# Altium PCB 小车PCB.PcbDoc (part 2 of 4) (continued)
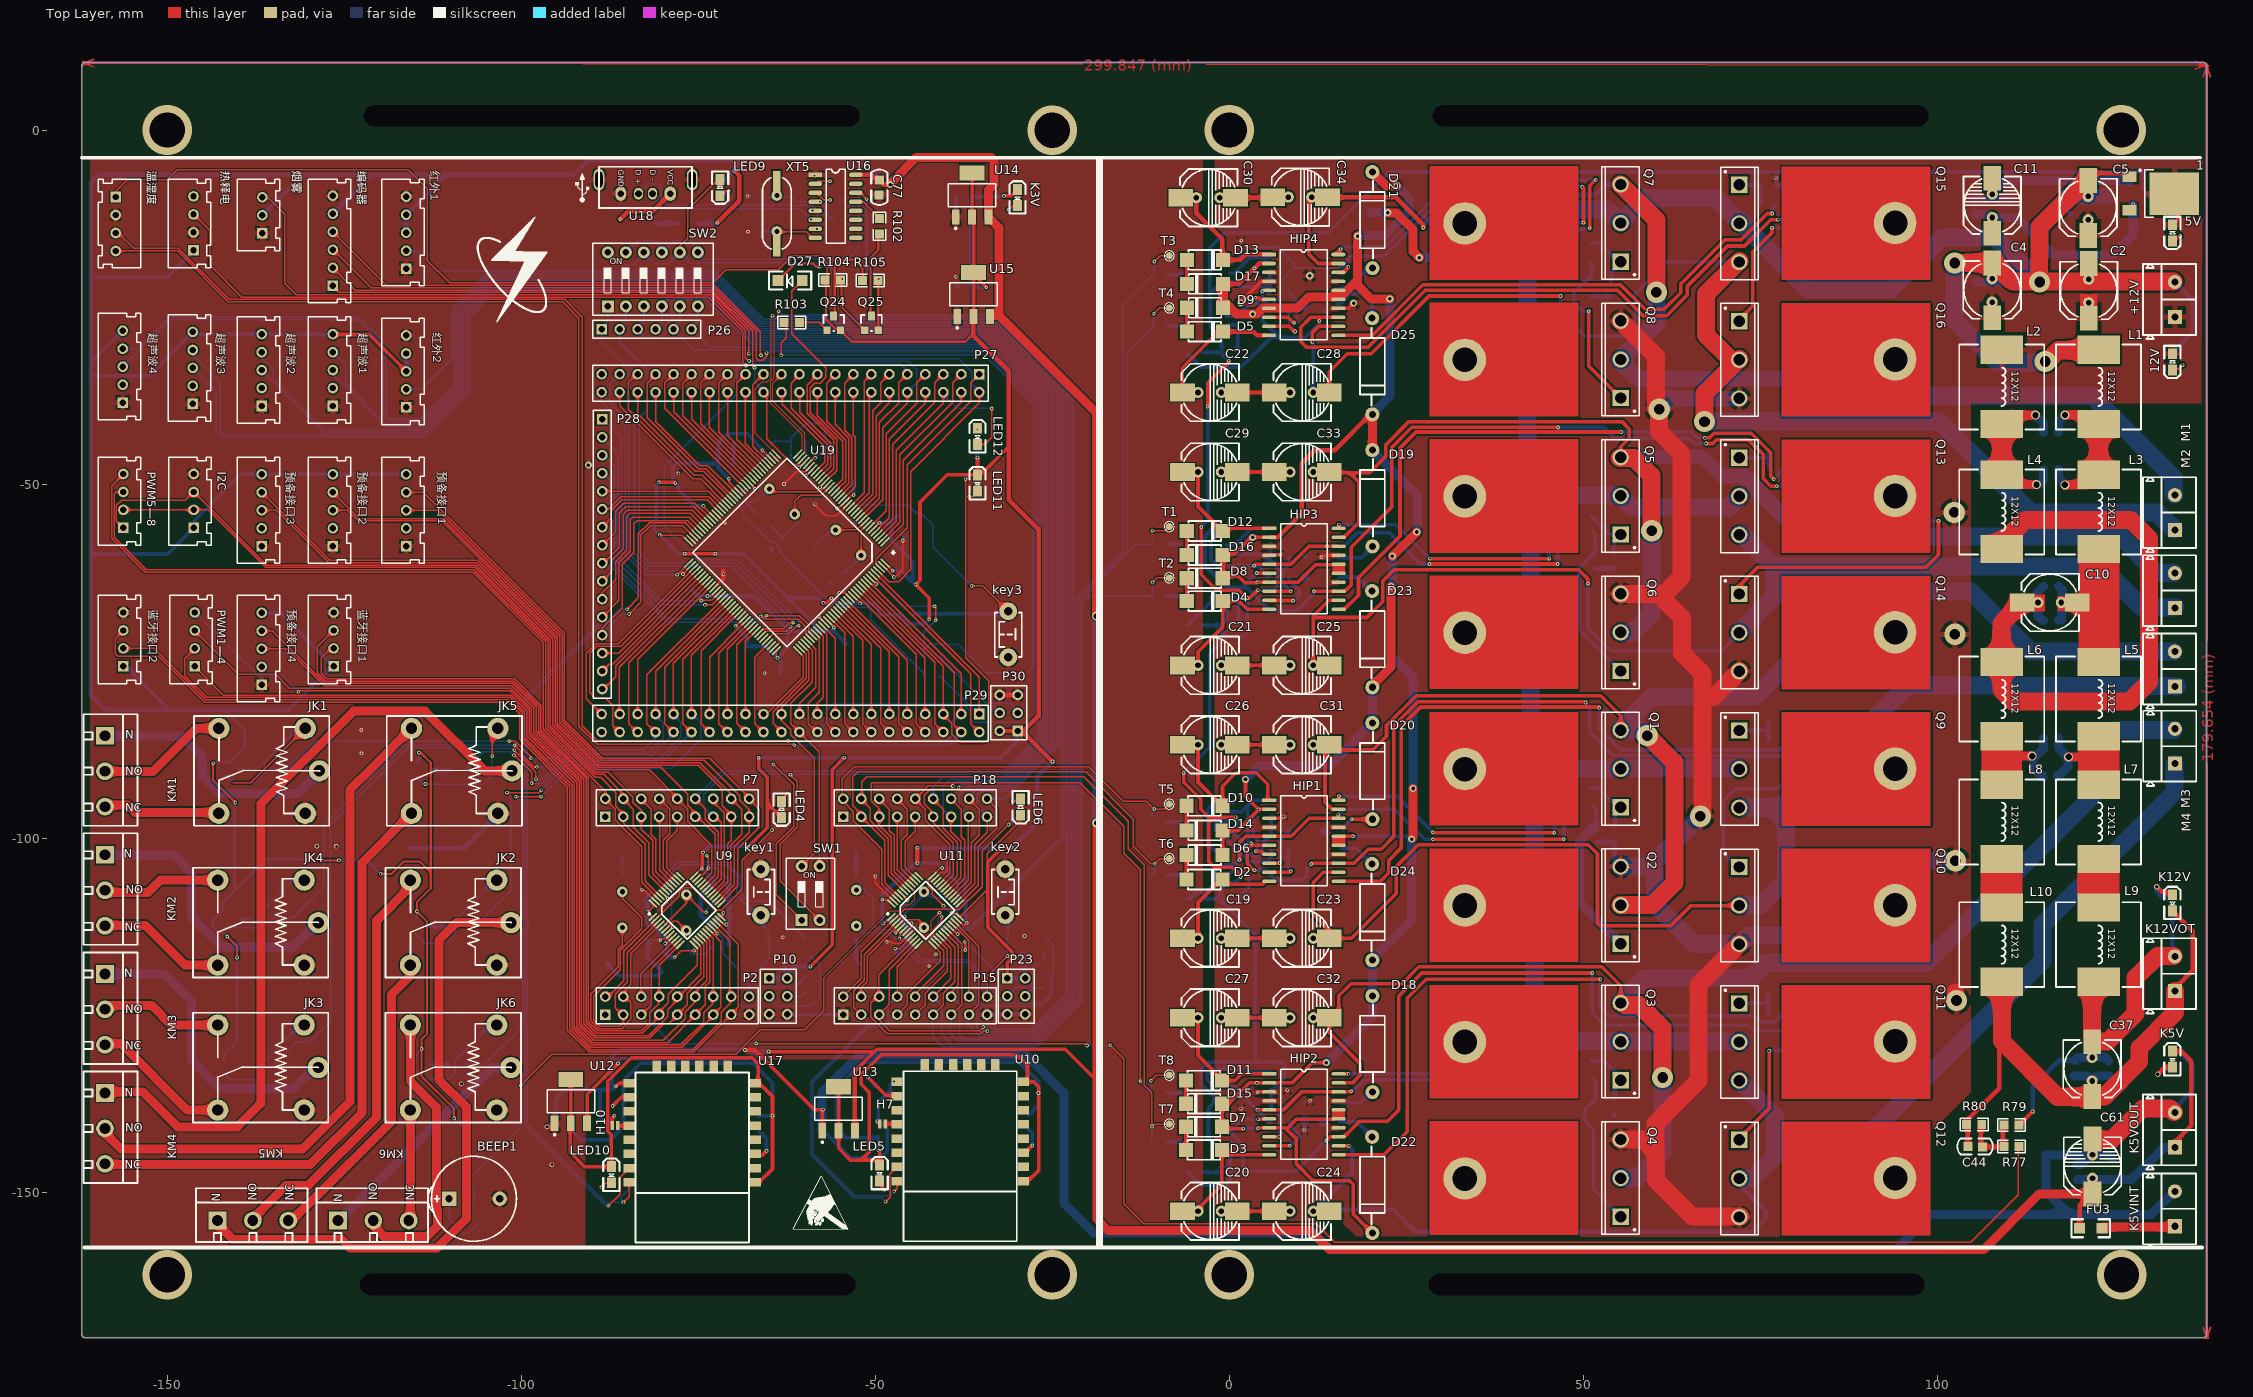
[diagram p0: Top Layer view]
## Nets (pads, with @x,y where several pads share a name; then routed paths per layer and width w, separated by ;. In a path a pad name is that pad's centre, name@x,y a point inside that pad or via, vN(x,y) a via of type N, cw(c..) or ccw(c..) an arc to the next point about the centre after c; other vN are vias at no path point) (continued)
  Bottom Layer w0.203: C40.2@-85.852,-117.602 -85.598,-117.348 XT1.2@-85.598,-114.859
+5V: FU1.2 R2.2 R12.1 R13.1 R14.1 R15.1 R16.1 R17.1 R18.1 R19.1 R20.1 R21.1 R22.1 R23.1 R24.1 R25.1 R26.1 R27.1 U1.8 U2.8 U3.8 U4.8 U5.8 U6.8 U7.8 U8.8 | length 384.9
  Top Layer w0.508: v1(-6.426,-90.729) -6.426,-92.024 -4.039,-94.412 -4.039,-95.86 -2.946,-96.952 -2.083,-96.952 ; v1(-3.962,-55.982) -3.962,-62.725 -1.765,-64.922 1.372,-64.922 v1@2.413,-65.964 ; v1(-3.048,-38.964) -3.048,-35.662 -0.076,-32.69 v1(-0.076,-32.487) ; -2.057,-96.926 -2.083,-96.952 ; v1(0.889,-96.952) -2.083,-96.952 ; v1(1.626,-105.41) 1.626,-105.207 0.432,-104.013 -2.108,-104.013 -2.896,-103.226 -2.896,-97.765 -2.083,-96.952 ; v1(2.515,-66.015) 2.896,-66.015 v1@4.039,-64.872
  Bottom Layer w0.508: v1(-6.426,-90.729) -2.769,-87.071 -2.769,-86.741 ; v1(-3.962,-55.982) -3.048,-55.067 v1(-3.048,-38.964) ; R18.1@-3.81,-108.509 -1.067,-108.509 R12.1@-0.991,-108.585 ; R27.1@-3.81,-31.318 -1.372,-31.318 R25.1@-1.27,-31.217 ; R23.1@-3.759,-69.875 -1.651,-69.875 R17.1@-1.575,-69.799 ; R15.1@-3.734,-147.066 -3.683,-147.117 R21.1@-1.016,-147.117 ; -2.769,-86.538 -2.769,-73.889 -1.092,-72.212 -1.092,-70.739 ; -2.743,-23.063 -2.743,-16.535 -0.635,-14.427 13.97,-14.427 22.539,-5.858 128.997,-5.858 129.057,-5.918 129.057,-8.433 FU1.2@130.886,-10.262 ; U4.8@-1.219,-144.069 -2.946,-142.342 -2.946,-138.024 -2.21,-137.287 ; R12.1@-1.219,-108.941 -0.991,-108.941 3.658,-113.589 3.658,-131.572 ; R12.1@-1.219,-108.407 -1.219,-107.074 U1.8@-0.47,-106.324 ; R17.1@-1.118,-69.698 -0.445,-69.025 U6.8@-0.445,-67.056 ; R17.1@-1.092,-69.875 -1.092,-70.739 ; U7.8@-1.092,-21.412 -2.718,-23.038 -2.718,-27.788 -1.753,-28.753 U8.8@-0.711,-28.753 ; R21.1@-1.041,-147.066 -1.041,-144.221 U4.8@-0.94,-144.12 ; U3.8@-0.597,-137.287 -2.21,-137.287 ; U1.8@-0.597,-106.223 0.813,-106.223 v1(1.626,-105.41) ; U2.8@-0.47,-98.73 1.194,-98.73 1.194,-97.257 v1(0.889,-96.952) ; U5.8@-0.445,-59.817 4.674,-59.817 R22.1@5.766,-60.909 ; U8.8@-0.445,-28.753 U8.8@-0.711,-28.753 ; U7.8@-0.445,-21.463 0.914,-21.463 1.499,-22.047 5.089,-22.047 5.461,-22.419 5.461,-22.758 R26.1@5.563,-22.86 ; U2.8@-0.076,-98.755 0.152,-98.755 0.381,-98.984 2.718,-101.321 2.718,-102.032 3.226,-102.54 4.115,-102.54 4.699,-101.956 4.699,-100.635 5.893,-99.441 5.893,-96.901 R19.1@6.045,-96.749 ; v1(-0.076,-32.487) -1.092,-31.471 -1.092,-29.134 U8.8@-0.711,-28.753 ; v1(2.515,-66.015) 2.515,-71.044 2.057,-71.501 -0.33,-71.501 -1.092,-70.739 ; v1(4.039,-64.897) 5.867,-64.897 ; R24.1@5.639,-20.447 5.69,-20.498 R26.1@5.69,-22.911 ; R22.1@5.766,-60.884 5.766,-58.318 R16.1@5.817,-58.268 ; R14.1@5.893,-135.357 5.893,-137.77 R20.1@5.944,-137.82 ; 5.944,-64.897 6.274,-64.897 6.782,-64.389 6.782,-61.544 R22.1@6.121,-60.884 ; R14.1@6.223,-135.357 7.798,-133.782 7.798,-131.877 7.493,-131.572 3.658,-131.572 ; FU1.2@130.886,-10.363 131.648,-10.363 133.172,-11.887 R2.2@133.172,-13.183 R2.2@133.172,-13.31 ; -2.21,-137.287 -2.21,-136.373 -3.988,-134.595 -3.988,-132.664 -2.896,-131.572 3.658,-131.572
+12V: 1.1 +12V.2 C1.2 C2.2 C3.2 C4.2 C5.2 C6.2 C7.2 C8.2 C9.2 FU2.2 L1.1 Q1.2 Q3.2 Q5.2 Q7.2 Q9.2 Q11.2 Q13.2 Q15.2 R1.2 | length 423.2
  Top Layer w0.635: 23.698,-11.659 23.749,-11.608 ; C5.2@121.26,-6.739 121.979,-6.02 1.1@127.127,-6.02
  Top Layer w1.27: v2(22.377,-11.582) 22.454,-11.659 23.698,-11.659 ; 23.749,-11.76 23.749,-11.786 25.959,-13.995 25.959,-17.069 v2(26.822,-17.932)
  Top Layer w2.54: v3@102.334,-18.666 C4.2@107.973,-18.666 ; C4.2@107.874,-18.567 C4.2@107.973,-18.666 ; 114.427,-17.907 114.427,-13.64 C5.2@121.31,-6.756 ; v3@115.341,-32.766 117.094,-31.013 L1.1@122.453,-31.013 ; +12V.2@133.35,-21.336 110.642,-21.336 C4.2@107.973,-18.666
  Bottom Layer w0.635: v2(26.822,-17.932) v2@26.975,-17.932 ; 41.58,-16.104 42.113,-15.57 ; C4.2@107.287,-21.361 C4.2@107.721,-20.927 C4.2@108.156,-21.361 ; C2.2@121.183,-21.031 C2.2@121.514,-21.361 ; C5.2@121.285,-9.423 123.774,-9.423 123.799,-9.649 123.8,-9.652 C9.2@123.901,-9.754 ; R1.2@133.172,-31.42 136.068,-28.524 136.068,-23.901 +12V.2@133.502,-21.336
  Bottom Layer w1.27: FU2.2@20.015,-11.506 FU2.2@20.117,-11.608 ; FU2.2@20.041,-11.608 FU2.2@20.117,-11.608 ; v2(22.377,-11.582) 20.142,-11.582 FU2.2@20.117,-11.608 ; v2@26.975,-17.958 39.726,-17.958 41.58,-16.104 ; C6.2@105.385,-21.361 C4.2@107.287,-21.361 ; C4.2@108.156,-21.361 C8.2@110.16,-21.361 ; C1.2@118.618,-21.641 120.548,-21.641 C2.2@121.412,-20.777 ; C2.2@121.31,-20.904 123.063,-20.904 C3.2@123.52,-21.361
  Bottom Layer w2.54: Q5.2@54.762,-51.562 46.838,-51.562 46.457,-51.181 ; Q1.2@54.915,-90.068 54.889,-90.094 48.158,-90.094 47.828,-89.764 ; Q3.2@55.27,-128.666 Q11.2@72.252,-128.666 ; Q1.2@55.27,-90.027 Q9.2@71.898,-90.027 ; Q5.2@55.27,-51.592 56.916,-53.238 70.536,-53.238 Q13.2@72.136,-51.638 ; Q3.2@55.448,-128.6 48.26,-128.6 43.104,-123.444 43.104,-93.955 47.295,-89.764 47.828,-89.764 ; Q15.2@72.314,-12.751 Q15.2@72.085,-12.979 ; v3(102.438,-18.694) 102.438,-26.797 108.407,-32.766 v3@115.341,-32.766 ; v3(114.427,-21.387) 108.153,-15.113 100.66,-15.113 93.345,-22.428 81.737,-22.428 72.288,-12.979 Q15.2@72.085,-12.979 ; 46.457,-51.181 42.52,-55.118 42.52,-84.455 47.828,-89.764 ; 46.457,-51.181 42.113,-46.838 42.113,-15.57 46.533,-11.151 53.365,-11.151 Q7.2@55.27,-13.056 58.801,-9.525 68.631,-9.525 Q15.2@72.085,-12.979
  other v3: 115.214,-32.614
AH0: HIP4.11 R74.2 | length 73.5
  Top Layer w0.508: HIP4.11@15.392,-28.931 20.168,-28.931 27.33,-21.768 55.245,-21.768 58.725,-25.248 61.392,-25.248 63.754,-22.885 63.754,-21.666 70.002,-15.418 72.263,-15.418 75.971,-11.709 v1(76.683,-11.709)
  Bottom Layer w0.508: v1(76.683,-11.709) 76.683,-11.049 R74.2@77.267,-10.465
AH1: HIP3.11 R72.2 | length 87.3
  Top Layer w0.508: HIP3.11@16.205,-67.64 18.237,-65.608 18.237,-63.144 24.105,-57.277 24.105,-44.831 26.365,-42.57 52.807,-42.57 52.832,-42.596 ; 52.857,-42.57 v1(55.321,-42.57) ; v1(67.158,-43.409) 67.793,-43.409 68.453,-42.748 73.711,-42.748 76.454,-45.491 76.454,-48.793 v1(76.911,-49.251)
  Bottom Layer w0.508: v1(55.321,-42.57) 55.321,-42.52 55.372,-42.57 65.253,-42.57 66.091,-43.409 v1(67.158,-43.409) ; v1(76.911,-49.251) 78.334,-47.828 R72.2@78.334,-47.65
AH2: HIP1.11 R68.2 | length 89.6
  Top Layer w0.508: HIP1.11@15.392,-106.02 HIP1.11@15.443,-106.02 21.336,-106.02 21.869,-105.486 ; 21.92,-105.435 21.869,-105.486 ; v1(52.248,-81.534) 52.248,-81.407 27,-81.407 24.257,-84.15 24.257,-101.321 22.504,-103.073 22.504,-104.826 21.869,-105.461 21.869,-105.486
  Bottom Layer w0.508: v1(52.248,-81.534) 52.248,-84.43 55.245,-87.427 55.506,-87.427 55.557,-87.478 77.699,-87.478 78.308,-86.868 R68.2@78.308,-86.081
AH3: HIP2.11 R70.2 | length 89.6
  Top Layer w0.508: HIP2.11@15.392,-144.653 HIP2.11@15.443,-144.653 21.844,-144.653 25.121,-141.376 25.121,-122.53 27.813,-119.837 v1(52.4,-119.837)
  Bottom Layer w0.508: v1(52.4,-119.837) 52.4,-123.622 52.349,-123.673 53.67,-124.993 74.193,-124.993 75.133,-125.933 77.038,-125.933 R70.2@78.283,-124.689
AHS0: C28.2 HIP4.12 M1.1 Q15.3 Q16.2 | length 189.3
  Top Layer w0.508: v1(11.735,-29.87) 11.735,-28.524 12.598,-27.661 14.503,-27.661 HIP4.12@14.529,-27.635 ; C28.2@14.097,-36.703 14.097,-34.061 16.637,-31.521 20.041,-31.521 28.194,-23.368 v1(46.787,-23.368)
  Top Layer w2.54: v3(67.107,-41.097) 67.107,-37.16 Q16.2@71.897,-32.37 ; Q16.2@72.009,-32.37 Q16.2@71.897,-32.37 ; Q16.2@72.034,-32.233 Q16.2@71.897,-32.37 ; Q15.3@72.034,-18.39 67.335,-23.089 67.335,-28.88 70.826,-32.37 Q16.2@71.897,-32.37
  Bottom Layer w0.508: v1(11.735,-29.87) 11.836,-29.972 C28.2@11.836,-37.033 ; v1(46.787,-23.368) 46.641,-25.508 50.19,-29.058 55.575,-29.058 57.328,-27.305 57.328,-23.038 61.814,-18.552 Q15.3@72.009,-18.552
  Bottom Layer w2.54: v3(67.107,-41.097) 100.305,-41.097 113.132,-53.924 130.988,-53.924 M1.1@133.375,-56.312
AHS1: C25.2 HIP3.12 M2.1 Q13.3 Q14.2 | length 162.2
  Top Layer w0.508: C25.2@11.862,-75.53 11.862,-68.555 14.072,-66.345 HIP3.12@14.63,-66.345 ; 11.913,-68.758 19.431,-68.758 21.666,-66.523 21.666,-63.602 23.266,-62.001 49.327,-62.001 50.648,-63.322 v1(50.648,-64.008)
  Bottom Layer w0.508: v1(50.648,-64.008) 50.648,-70.256 53.848,-73.457 69.459,-73.457 Q14.2@72.009,-70.907
  Bottom Layer w2.54: Q14.2@71.984,-70.79 76.962,-65.811 76.962,-61.62 76.911,-61.57 ; Q13.3@72.06,-57.048 72.39,-57.048 76.911,-61.57 ; M2.1@133.553,-67.31 133.488,-67.375 128.894,-67.375 123.088,-61.57 76.911,-61.57
AHS2: C23.2 HIP1.12 M3.1 Q9.3 Q10.2 | length 175.5
  Top Layer w0.508: C23.2@14.072,-113.792 14.072,-112.903 11.836,-110.668 11.836,-106.197 13.284,-104.75 HIP1.12@14.656,-104.75 ; C23.2@14.529,-114.071 17.247,-114.071 23.597,-107.721 23.597,-103.937 26.67,-100.863 27.864,-100.863 27.864,-100.838 50.698,-100.838 51.994,-102.133 51.994,-111.912 52.349,-112.268 62.382,-112.268 65.207,-109.444 Q10.2@72.009,-109.444
  Bottom Layer w2.54: Q10.2@72.034,-109.398 74.981,-109.398 78.588,-105.791 78.588,-95.58 ; Q9.3@72.365,-95.58 78.588,-95.58 ; M3.1@133.35,-78.464 109.249,-78.464 109.144,-78.359 95.783,-78.359 86.868,-87.274 86.868,-87.3 78.588,-95.58 ; M3.1@133.528,-78.504 M3.1@133.866,-78.504
AHS3: C24.2 HIP2.12 M4.1 Q11.3 Q12.2 | length 189.4
  Top Layer w0.508: HIP2.12@15.443,-143.383 16.866,-143.383 v1(16.891,-143.408)
  Bottom Layer w0.635: C24.2@11.405,-152.375 C24.2@11.532,-152.375 ; C24.2@11.532,-152.425 C24.2@12.09,-152.425 ; C24.2@11.913,-152.603 C24.2@12.09,-152.425 ; v1(16.891,-143.408) 17.348,-143.866 17.348,-147.168 C24.2@12.09,-152.425 ; Q12.2@72.009,-147.98 72.009,-148.869 75.743,-152.603 75.743,-153.645 73.889,-155.499 26.264,-155.499 23.19,-152.425 C24.2@12.09,-152.425
  Bottom Layer w2.54: Q11.3@72.009,-134.162 77.089,-139.242 77.089,-142.748 ; Q12.2@72.161,-147.98 73.838,-147.98 77.089,-144.729 77.089,-142.748 ; M4.1@133.502,-89.484 133.502,-93.447 114.833,-112.116 114.833,-117.272 89.408,-142.697 77.14,-142.697 77.089,-142.748
AL0: HIP4.6 HIP4.13 R27.2 R75.2 U8.6 | length 126.2
  Top Layer w0.508: v1(3.683,-23.597) 4.115,-23.597 4.369,-23.851 HIP4.6@4.877,-23.851 ; v1(12.7,-26.899) 12.7,-26.518 12.725,-26.492 ; HIP4.13@15.392,-26.391 11.455,-26.391 10.084,-27.762 10.084,-29.794 10.897,-30.607 19.583,-30.607 27.661,-22.53 54.813,-22.53 58.42,-26.137 61.773,-26.137 64.643,-23.266 64.643,-22.022 70.358,-16.307 72.746,-16.307 76.479,-12.573 v1(77.47,-12.573)
  Bottom Layer w0.508: R27.2@-5.969,-31.318 -5.969,-31.42 -3.988,-33.401 1.702,-33.401 5.944,-29.159 7.01,-29.159 ; U8.6@-0.445,-26.213 1.067,-26.213 2.794,-24.486 3.988,-24.486 3.988,-23.927 3.683,-23.622 v1(3.683,-23.597) ; 4.216,-24.511 4.623,-24.917 4.623,-26.772 7.01,-29.159 ; 12.7,-27.229 10.744,-29.185 7.036,-29.185 7.01,-29.159 ; v1@77.47,-12.548 78.207,-12.548 79.985,-10.77 R75.2@79.985,-10.465
AL1: HIP3.6 HIP3.13 R23.2 R73.2 U6.6 | length 119.5
  Top Layer w0.508: v1@3.912,-62.459 3.988,-62.535 HIP3.6@5.643,-62.535 ; v1(11.913,-65.049) HIP3.13@14.859,-65.049 ; HIP3.13@16.332,-65.075 17.221,-64.186 17.221,-58.852 22.962,-53.111 22.962,-44.729 25.781,-41.91 46.431,-41.91 v1(46.457,-41.935) ; v1(67.335,-44.196) 68.275,-44.196 68.783,-43.688 73.33,-43.688 75.387,-45.745 75.387,-49.124 76.479,-50.216 v1(77.292,-50.216)
  Bottom Layer w0.508: R23.2@-5.918,-69.875 -2.565,-66.523 -2.565,-65.862 U6.6@-1.27,-64.567 ; U6.6@-0.445,-64.516 1.854,-64.516 v1(3.886,-62.484) ; 1.372,-64.541 2.489,-64.541 5.74,-67.793 9.55,-67.793 11.825,-65.518 v1(11.913,-65.049) ; v1(46.457,-41.935) 52.959,-41.935 54.508,-43.485 64.948,-43.485 65.659,-44.196 v1(67.335,-44.196) ; v1(77.292,-50.216) 77.749,-50.216 79.126,-48.839 79.177,-48.839 79.573,-48.443 79.598,-48.443 80.391,-47.65 R73.2@80.848,-47.65 R73.2@80.975,-47.65
AL2: HIP1.6 HIP1.13 R19.2 R69.2 U2.6 | length 123.7
  Top Layer w0.508: 2.489,-101.575 2.515,-101.549 2.515,-103.505 v1@3.454,-104.445 ; 2.54,-101.524 3.073,-100.99 v1@3.073,-100.686 ; v1(3.073,-100.635) v1@3.073,-100.686 ; HIP1.6@5.029,-100.94 3.327,-100.94 v1@3.073,-100.686 ; v1(11.557,-103.581) 11.659,-103.48 HIP1.13@14.681,-103.48 ; HIP1.13@16.205,-103.48 17.602,-103.48 19.609,-101.473 21.463,-101.473 23.241,-99.695 23.241,-84.049 26.645,-80.645 50.19,-80.645 v1(50.317,-80.772)
  Bottom Layer w0.508: U2.6@-0.47,-96.19 1.676,-96.19 3.302,-94.564 R19.2@5.918,-94.564 ; v1@2.972,-100.559 2.591,-100.178 2.591,-98.908 2.616,-98.882 2.616,-95.377 3.378,-94.615 ; v1@2.997,-100.559 2.997,-100.609 3.023,-100.635 v1(3.073,-100.635) ; v1(3.556,-104.47) 5.182,-104.47 6.579,-105.867 10.363,-105.867 10.922,-105.308 10.922,-104.191 11.532,-103.581 v1(11.557,-103.581) ; v1(50.317,-80.772) 50.876,-81.331 50.876,-84.912 54.204,-88.24 55.421,-88.24 55.472,-88.29 79.858,-88.29 80.975,-87.173 R69.2@80.975,-86.081
AL3: HIP2.6 HIP2.13 R21.2 R71.2 U4.6 | length 120.6
  Top Layer w0.508: v1(4.064,-139.598) HIP2.6@5.029,-139.598 ; v1(13.716,-142.621) 14.224,-142.113 HIP2.13@15.113,-142.113 ; HIP2.13@16.281,-142.011 18.39,-139.903 22.327,-139.903 23.927,-138.303 23.927,-122.225 27.178,-118.974 v1(51.257,-118.974)
  Bottom Layer w0.508: U4.6@-0.025,-141.3 1.956,-143.281 1.956,-146.99 ; U4.6@0.127,-141.351 1.88,-139.598 v1(4.064,-139.598) ; R21.2@0.737,-146.99 1.956,-146.99 ; v1@13.665,-142.646 13.665,-142.697 9.373,-146.99 1.956,-146.99 ; v1(51.257,-118.974) 51.257,-124.587 53.01,-126.34 73.304,-126.34 74.092,-127.127 79.908,-127.127 80.95,-126.086 R71.2@80.95,-124.689
BH0: HIP4.20 R50.1 | length 52
  Top Layer w0.508: HIP4.20@14.961,-17.475 14.986,-17.475 v1(15.697,-16.764) ; v1(50.902,-13.792) 50.902,-7.798 v1(51.765,-6.934)
  Bottom Layer w0.508: v1(15.697,-16.764) 15.723,-16.764 16.078,-16.408 22.073,-16.408 31.547,-6.934 v1(51.765,-6.934) ; R50.1@48.971,-15.9 48.971,-14.554 49.682,-13.843 50.851,-13.843 v1(50.902,-13.792)
BH1: HIP3.20 R48.1 | length 40.4
  Top Layer w0.508: HIP3.20@15.469,-56.083 v1(15.469,-55.651) ; v1(28.321,-60.452) v1(45.187,-60.452)
  Bottom Layer w0.508: v1(15.469,-55.651) 23.52,-55.651 v1(28.321,-60.452) ; v1(45.187,-60.452) 45.187,-57.048 47.777,-54.458 R48.1@48.971,-54.458
BH2: HIP1.20 R44.1 | length 40.6
  Top Layer w0.508: v1(15.494,-94.005) 15.494,-94.463 HIP1.20@15.545,-94.513 ; v1(28.753,-99.085) 28.829,-99.162 v1(45.872,-99.162)
  Bottom Layer w0.508: v1(15.494,-94.005) 23.673,-94.005 v1(28.753,-99.085) ; v1(45.872,-99.162) 45.872,-95.961 R44.1@48.946,-92.888
BH3: HIP2.20 R46.1 | length 33.5
  Top Layer w0.508: HIP2.20@16.231,-133.223 v1(16.815,-133.223)
  Bottom Layer w0.508: v1(16.815,-133.223) 38.354,-133.223 40.183,-131.394 R46.1@48.946,-131.394
BHS0: C34.2 HIP4.19 M1.2 Q7.3 Q8.2 | length 174.9
  Top Layer w0.508: C34.2@11.862,-9.373 11.201,-10.033 11.201,-17.424 12.548,-18.771 HIP4.19@14.503,-18.771
  Top Layer w0.635: C34.2@13.945,-9.423 23.52,-9.423 27.381,-13.284 v1(27.381,-13.691)
  Top Layer w2.54: Q7.3@55.27,-7.606 60.314,-12.649 v3(60.314,-22.824)
  Bottom Layer w0.635: v1(27.381,-13.691) 27.381,-13.36 31.648,-9.093 51.587,-9.093 53.075,-7.606 Q7.3@55.27,-7.606
  Bottom Layer w2.2: 57.252,-34.62 57.658,-35.027 72.714,-35.027 72.74,-35.052 83.109,-35.052 85.547,-37.49
  Bottom Layer w2.54: 57.252,-34.62 55.08,-32.448 60.314,-27.214 v3(60.314,-22.824) ; 85.547,-37.49 121.869,-37.49 133.35,-48.971 133.35,-51.232 M1.2@133.502,-51.384
BHS1: C33.2 HIP3.19 M2.2 Q5.3 Q6.2 | length 177.7
  Top Layer w0.508: C33.2@14.097,-48.285 16.383,-48.285 ; HIP3.19@16.154,-57.48 18.263,-55.372 18.263,-49.632 16.942,-48.311 ; 16.383,-48.311 16.942,-48.311 ; Q5.3@55.27,-46.142 55.27,-44.653 56.49,-43.434 56.49,-42.139 55.448,-41.097 25.375,-41.097 22.073,-44.399 22.073,-46.025 19.787,-48.311 16.942,-48.311
  Top Layer w2.54: Q5.3@55.093,-46.228 57.125,-46.228 59.639,-48.743 v3(59.639,-56.515)
  Bottom Layer w2: Q5.3@54.94,-46.101 66.827,-46.101 69.571,-48.844 72.593,-48.844
  Bottom Layer w2.2: 72.593,-48.844 72.89,-49.141 73.17,-49.141 74.633,-50.604 74.633,-50.884 81.077,-57.328
  Bottom Layer w2.54: Q6.2@55.27,-70.861 56.977,-70.861 59.639,-68.199 v3(59.639,-56.515) ; 81.077,-57.328 125.832,-57.328 130.959,-62.455 133.328,-62.455 M2.2@133.35,-62.433
BHS2: C31.2 HIP1.19 M3.2 Q1.3 Q2.2 | length 182.5
  Top Layer w0.508: C31.2@14.097,-86.751 13.513,-87.335 13.513,-94.844 HIP1.19@14.516,-95.847 ; C31.2@15.011,-87.478 20.244,-87.478 22.2,-85.522 22.2,-83.998 26.391,-79.807 52.451,-79.807 55.27,-82.626 Q1.3@55.27,-84.679
  Top Layer w2.54: Q2.2@55.27,-109.397 59.69,-109.397 62.84,-106.248 62.84,-89.256 v3(59.03,-85.446)
  Bottom Layer w2.54: Q1.3@55.27,-84.679 Q1.3@55.296,-84.679 ; Q1.3@55.296,-84.684 Q1.3@55.296,-84.679 ; v3(59.03,-85.446) 58.263,-84.679 Q1.3@55.296,-84.679 ; M3.2@133.35,-73.544 113.168,-73.544 104.75,-65.126 89.052,-65.126 76.225,-77.953 76.225,-78.003 74.32,-79.908 59.665,-79.908 55.296,-84.277 Q1.3@55.296,-84.679
BHS3: C32.2 HIP2.19 M4.2 Q3.3 Q4.2 | length 189.6
  Top Layer w0.508: C32.2@14.097,-125.288 14.097,-127.381 18.466,-131.75 18.466,-133.426 17.399,-134.493 HIP2.19@16.231,-134.493 ; C32.2@15.469,-124.866 15.469,-122.199 17.196,-120.472 24.384,-120.472 26.772,-118.085 52.578,-118.085 55.27,-120.777 Q3.3@55.27,-123.216
  Top Layer w2.54: Q3.3@55.804,-123.495 57.912,-123.495 61.189,-126.771 v3(61.189,-133.731)
  Bottom Layer w2.54: Q3.3@55.245,-123.063 58.598,-119.71 73.584,-119.71 75.819,-117.475 98.425,-117.475 122.53,-93.37 122.53,-87.427 125.273,-84.684 133.299,-84.684 M4.2@133.35,-84.633 ; Q4.2@55.27,-147.934 57.653,-147.934 61.189,-144.399 v3(61.189,-133.731)
BL0: HIP4.5 HIP4.18 R26.2 R51.2 U7.6 | length 83
  Top Layer w0.508: v1(4.674,-22.682) 4.75,-22.682 HIP4.5@4.826,-22.606 ; HIP4.18@15.392,-20.041 16.104,-20.041 v1@16.764,-19.38 ; v1(49.86,-7.95) 50.013,-8.103 v1(50.013,-13.03)
  Bottom Layer w0.305: U7.6@0.254,-18.821 2.591,-16.485 6.883,-16.485 9.119,-18.72 9.119,-19.431 ; R26.2@5.69,-25.07 5.69,-24.892 7.112,-23.47 7.112,-21.438 9.119,-19.431 ; 15.697,-19.406 15.672,-19.431 9.119,-19.431
  Bottom Layer w0.508: v1(4.674,-22.682) 4.623,-22.733 4.623,-23.8 R26.2@5.69,-24.867 ; 15.672,-19.304 17.221,-17.755 21.844,-17.755 31.648,-7.95 v1(49.86,-7.95) ; 15.697,-19.304 15.748,-19.253 v1(16.815,-19.253) ; R51.2@48.971,-18.593 47.32,-16.942 47.32,-14.3 48.59,-13.03 v1(50.013,-13.03)
BL1: HIP3.5 HIP3.18 R22.2 R49.2 U5.6 | length 66.9
  Top Layer w0.508: v1(3.48,-61.468) 3.683,-61.265 HIP3.5@4.851,-61.265 ; HIP3.5@5.643,-61.265 8.636,-61.265 8.687,-61.214 ; 8.7,-61.227 11.201,-58.725 v1(13.792,-58.725) HIP3.18@15.164,-58.725 ; v1(28.245,-61.214) v1(46.38,-61.214)
  Bottom Layer w0.508: U5.6@-1.397,-57.277 -1.803,-57.277 -2.591,-58.064 -2.591,-60.579 -1.676,-61.493 3.785,-61.493 ; v1(3.48,-61.468) 3.759,-61.468 3.785,-61.493 ; R22.2@5.69,-62.967 5.563,-62.967 4.089,-61.493 3.785,-61.493 ; v1(13.792,-58.725) 15.646,-58.725 15.672,-58.75 ; 15.748,-58.725 16.154,-58.725 18.11,-56.769 22.555,-56.769 26.581,-60.795 ; 26.568,-60.808 26.975,-61.214 v1(28.245,-61.214) ; v1(46.38,-61.214) 46.38,-58.242 47.523,-57.099 R49.2@48.844,-57.099 R49.2@48.971,-57.099
BL2: HIP1.5 HIP1.18 R18.2 R45.2 U1.6 | length 67.5
  Top Layer w0.508: v1(1.443,-102.976) 1.443,-101.702 ; 1.448,-101.651 1.448,-100.508 2.311,-99.644 8.763,-99.644 9.195,-99.212 ; 9.22,-99.162 11.278,-97.104 HIP1.18@15.011,-97.104 ; HIP1.18@15.367,-97.053 v1(15.367,-96.596) ; v1(28.753,-100.076) v1(47.219,-100.076)
  Bottom Layer w0.508: R18.2@-5.969,-108.509 -5.69,-108.509 -4.775,-107.594 -3.327,-107.594 -2.083,-106.35 -2.083,-104.369 -1.499,-103.784 U1.6@-1.067,-103.784 ; U1.6@-0.597,-103.683 0.737,-103.683 v1(1.443,-102.976) ; 15.697,-96.596 15.697,-96.235 16.063,-95.869 23.378,-95.869 27.584,-100.076 v1(28.753,-100.076) ; v1(47.219,-100.076) 47.219,-96.622 48.26,-95.58 R45.2@48.819,-95.58 R45.2@48.946,-95.58
BL3: HIP2.5 HIP2.18 R20.2 R47.2 U3.6 | length 54.1
  Top Layer w0.508: v1(3.962,-138.303) HIP2.5@5.055,-138.303 ; HIP2.5@5.643,-138.303 7.645,-138.303 10.185,-135.763 HIP2.18@14.783,-135.763 ; HIP2.18@16.231,-135.763 17.12,-135.763 v1(17.221,-135.661)
  Bottom Layer w0.508: U3.6@-0.597,-134.747 0.432,-134.747 3.962,-138.278 v1(3.962,-138.303) ; v1@3.988,-138.328 5.664,-140.005 R20.2@5.893,-140.005 ; v1(17.221,-135.661) 17.374,-135.661 18.974,-134.061 38.913,-134.061 39.853,-133.121 47.981,-133.121 R47.2@48.946,-134.087
BOOT0: R103.1 R108.2 U19.138 | length 116.3
  Top Layer w0.203: v1(-63.297,-31.75) -63.297,-29.947 -62.586,-29.235 -62.586,-27.762 -62.865,-27.483 -62.713,-27.33 R103.1@-62.916,-27.127 ; U19.138@-50.114,-63.805 v1(-49.886,-64.033) ; v1(-41.631,-67.183) -41.453,-67.361 v1(-41.453,-69.139)
  Bottom Layer w0.203: v1(-63.297,-31.75) -63.195,-31.648 -34.583,-31.648 -27.686,-38.546 -27.686,-75.616 -28.626,-76.556 -34.239,-76.556 -38.252,-72.542 -42.291,-72.542 -43.129,-73.381 ; v1(-49.886,-64.033) -49.098,-64.033 -47.955,-65.176 ; -47.968,-65.189 -45.974,-67.183 v1(-41.631,-67.183) ; R108.2@-43.129,-74.244 -43.129,-73.381 ; v1(-41.453,-69.139) -43.129,-70.815 -43.129,-73.381
BOOT1: P27.33 R110.1 U19.48 | length 61.9
  Top Layer w0.203: P27.33@-75.946,-34.468 -77.165,-35.687 -77.165,-40.259 U19.48@-68.275,-49.149 ; U19.48@-67.386,-50.089 -67.386,-50.165 v1(-66.98,-50.571)
  Bottom Layer w0.203: v1(-66.98,-50.571) -68.301,-50.571 -69.672,-51.943 -69.672,-52.68 -68.687,-53.665 -68.687,-54.263 -64.859,-58.091 -64.363,-58.091 -63.48,-58.973 -63.48,-59.583 -55.728,-67.335 -50.974,-67.335 -50.648,-67.662 -50.648,-69.088 -43.129,-76.606 R110.1@-43.129,-76.962
"CH340 D+": U16.5 U18.3 | length 28.1
  Top Layer w0.635: U18.3@-83.443,-8.915 U18.3@-83.21,-8.683
  Bottom Layer w0.203: U18.3@-83.443,-8.915 -82.046,-7.518 -80.62,-7.518 -80.239,-7.899 -80.239,-9.728 -79.4,-10.566 -59.614,-10.566 v1(-58.877,-11.303)
"CH340 D-": U16.6 U18.2 | length 24.2
  Bottom Layer w0.203: U18.2@-81.449,-8.915 -81.449,-9.356 -79.756,-11.049 -60.579,-11.049 v1(-59.055,-12.573)
ESPRXD: U17.21 U19.69 | length 123.3
  Top Layer w0.203: v1(-87.732,-151.841) -87.681,-151.841 -86.03,-150.19 -86.03,-147.808 U17.21@-84.742,-146.52 ; v1(-85.039,-67.589) -83.439,-65.989 -83.439,-56.972 -81.864,-55.397 -76.86,-55.397 U19.69@-75.692,-56.566
  Bottom Layer w0.203: v1(-87.732,-151.841) -87.884,-151.689 -88.249,-151.689 -99.466,-140.472 -99.466,-112.789 -99.387,-112.71 -99.387,-111.004 -99.466,-110.925 -99.466,-89.414 -99.492,-89.389 -99.492,-80.061 -89.281,-69.85 -88.329,-69.85 -86.068,-67.589 v1(-85.039,-67.589)
ESPTXD: R106.2 U17.22 U19.70 | length 125.4
  Top Layer w0.203: v1(-85.547,-151.359) -84.742,-150.553 U17.22@-84.742,-148.52 ; v1(-84.76,-68.275) -83.083,-66.599 -83.083,-57.175 -81.686,-55.778 -81.229,-55.778 ; -81.178,-55.778 -77.216,-55.778 U19.70@-75.133,-57.861
  Bottom Layer w0.203: v1@-85.598,-151.308 -85.877,-151.028 -85.877,-150.597 -84.742,-149.461 R106.2@-84.742,-148.52 ; v1(-85.547,-151.359) -88.113,-151.359 -99.136,-140.335 -99.136,-112.926 -99.057,-112.847 -99.057,-110.867 -99.136,-110.788 -99.136,-89.278 -99.162,-89.252 -99.162,-80.213 -89.129,-70.18 -87.757,-70.18 -85.852,-68.275 v1(-84.76,-68.275)
F12V: D6.1 D7.1 D8.1 D9.1 D14.1 D15.1 D16.1 D17.1 D18.2 D19.2 D20.2 D21.2 D22.2 D23.2 D24.2 D25.2 FU2.1 HIP1.2 HIP1.7 HIP1.15 HIP1.16 HIP2.2 HIP2.7 HIP2.15 HIP2.16 HIP3.2 HIP3.7 HIP3.15 HIP3.16 HIP4.2 HIP4.7 HIP4.15 HIP4.16 | length 371.7
  Top Layer w0.508: D7.1@-1.092,-140.868 -1.016,-140.945 v1(1.956,-140.945) ; D6.1@-1.067,-102.057 -0.965,-101.956 D14.1@-0.965,-98.829 ; D7.1@-1.041,-140.688 -1.041,-137.947 D15.1@-0.889,-137.795 ; D8.1@-0.889,-62.967 1.321,-62.967 2.21,-63.856 3.912,-63.856 v1(3.962,-63.805) ; D15.1@-0.584,-137.897 2.819,-134.493 v1(3.912,-134.493) HIP2.2@4.902,-134.493 ; D16.1@-0.508,-59.817 0.686,-59.817 3.048,-57.455 v2(3.302,-57.455) HIP3.2@5.131,-57.455 ; D14.1@-0.127,-98.908 1.143,-98.908 3.886,-96.164 ; v2(2.286,-91.618) 2.286,-94.056 4.14,-95.91 v1(4.14,-95.86) HIP1.2@5.055,-95.86 ; v1(3.759,-101.778) 4.496,-101.778 HIP1.7@4.801,-102.083 ; v1@4.039,-140.945 4.14,-140.843 HIP2.7@5.643,-140.843 7.899,-140.843 8.077,-141.021 9.5,-139.598 HIP2.15@14.783,-139.598 ; v1@4.064,-63.805 HIP3.7@5.643,-63.805 ; HIP4.2@4.877,-18.669 4.801,-18.745 HIP4.2@5.944,-18.745 ; HIP2.2@5.643,-134.493 7.468,-134.493 ; HIP3.7@6.172,-63.805 9.703,-63.805 12.217,-61.29 HIP3.16@15.443,-61.29 ; 7.493,-134.468 7.468,-134.493 ; 8.115,-141.059 9.474,-142.418 9.474,-145.948 11.811,-148.285 16.967,-148.285 17.501,-148.819 17.501,-153 D22.2@20.193,-155.693 ; v2(13.716,-131.623) 11.709,-131.623 8.839,-134.493 7.468,-134.493 ; HIP1.15@15.392,-100.914 15.443,-100.863 HIP1.16@15.443,-99.67 ; HIP3.15@15.418,-62.484 15.443,-62.459 HIP3.16@15.443,-61.29 ; HIP2.15@15.443,-139.573 15.443,-138.379 HIP2.16@15.469,-138.354 ; HIP3.16@15.443,-61.265 HIP3.16@15.443,-61.29 ; HIP1.16@15.773,-99.67 v1(17.475,-99.67) ; HIP3.16@15.824,-61.29 HIP3.16@15.443,-61.29 ; 17.793,-21.425 18.136,-21.768
  Top Layer w0.635: D16.1@-1.041,-59.817 -0.928,-59.931 D16.1@-0.928,-59.944 D8.1@-0.928,-63.221 ; D9.1@-0.914,-25.025 0.158,-25.025 ; D17.1@-0.914,-21.793 D17.1@-0.914,-21.647 1.34,-21.647 v1@3.378,-19.609 ; v1(3.556,-19.431) 4.242,-18.745 HIP4.2@4.801,-18.745 ; HIP3.2@5.643,-57.455 6.833,-57.455 10.211,-54.077 10.211,-46.965 12.051,-45.125 14.895,-45.125 D25.2@19.939,-40.081 ; v9@23.647,-7.798 v9(23.673,-7.798) ; v2(25.756,-100.051) v2@25.895,-99.911
  Top Layer w1.27: D9.1@-0.914,-25.025 D17.1@-0.914,-21.946 ; D17.1@-0.838,-21.717 -0.914,-21.793 D17.1@-0.914,-21.946 ; D17.1@-0.711,-21.742 D17.1@-0.914,-21.946 ; D9.1@0,-24.867 0.158,-25.025 1.041,-25.908 3.894,-25.908 4.757,-25.044 9.652,-25.044 11.227,-23.47 14.986,-23.47 14.986,-22.936 ; 16.015,-23.203 17.793,-21.425 ; v2(18.136,-14.91) 18.136,-21.768 18.136,-21.869 20.066,-23.8 22.631,-23.8 v2(22.657,-23.774) ; D23.2@19.964,-78.588 22.86,-75.692 v2(22.86,-64.364) ; D19.2@20.193,-45.125 D25.2@20.193,-40.082 ; D21.2@20.193,-5.842 22.2,-7.849 v9@23.647,-7.849 ; v2@23.025,-60.134 v2(26.467,-56.693) ; v2@25.857,-99.873 25.959,-99.771 v2(25.959,-92.913)
  Bottom Layer w0.508: v1(1.956,-140.945) 2.007,-140.894 v1(4.039,-140.894) ; v2(2.286,-91.618) v2@2.349,-91.554 ; v1(3.759,-101.778) 3.81,-101.727 3.81,-101.702 3.937,-101.575 3.937,-101.117 ; 3.937,-101.067 3.937,-100.101 3.353,-99.517 3.353,-96.749 4.14,-95.961 v1(4.14,-95.86) ; v2(13.716,-131.623) 13.741,-131.597 v2@13.741,-131.572 ; v1(17.475,-99.67) 25.451,-99.67 v2@25.806,-100.025 ; v2@17.831,-14.91 v2(18.136,-14.91) ; D18.2@20.091,-122.123 20.193,-122.022 D18.2@20.193,-121.971
  Bottom Layer w0.635: FU2.1@20.142,-14.808 FU2.1@20.65,-14.808 ; v2@22.835,-64.364 v2(22.86,-64.364) ; v2(26.467,-56.693) 26.518,-56.693 v2@26.518,-56.591
  Bottom Layer w1.27: v2@2.362,-91.567 4.14,-89.789 4.47,-89.789 ; 4.47,-89.687 14.167,-89.687 D20.2@20.193,-83.661 ; v2@13.741,-131.572 20.193,-125.12 D18.2@20.193,-122.198 ; v2@18.339,-14.808 FU2.1@20.142,-14.808 ; D20.2@19.939,-83.718 20.193,-83.464 D23.2@20.193,-78.619 ; D25.2@20.015,-40.157 22.657,-37.516 v2(22.657,-23.774) ; D18.2@20.041,-122.047 20.193,-121.895 D24.2@20.193,-117.156 ; D18.2@20.066,-122.098 D18.2@20.193,-121.971 ; D24.2@20.142,-117.119 25.756,-111.506 v2(25.756,-100.051) ; D19.2@20.193,-45.125 26.568,-51.5 v2@26.568,-56.591 ; FU2.1@20.65,-14.808 21.92,-14.808 25.375,-11.354 25.375,-9.5 v9(23.673,-7.798) ; v2@22.835,-64.364 23.038,-64.16 v2(23.038,-60.096) ; v2(22.86,-64.364) 22.86,-74.143 25.883,-77.165 ; v2@25.959,-92.888 25.959,-77.165
  other v2: 3.302,-25.933